# Altium PCB PDB_PCB.PcbDoc (part 3 of 3) (continued)
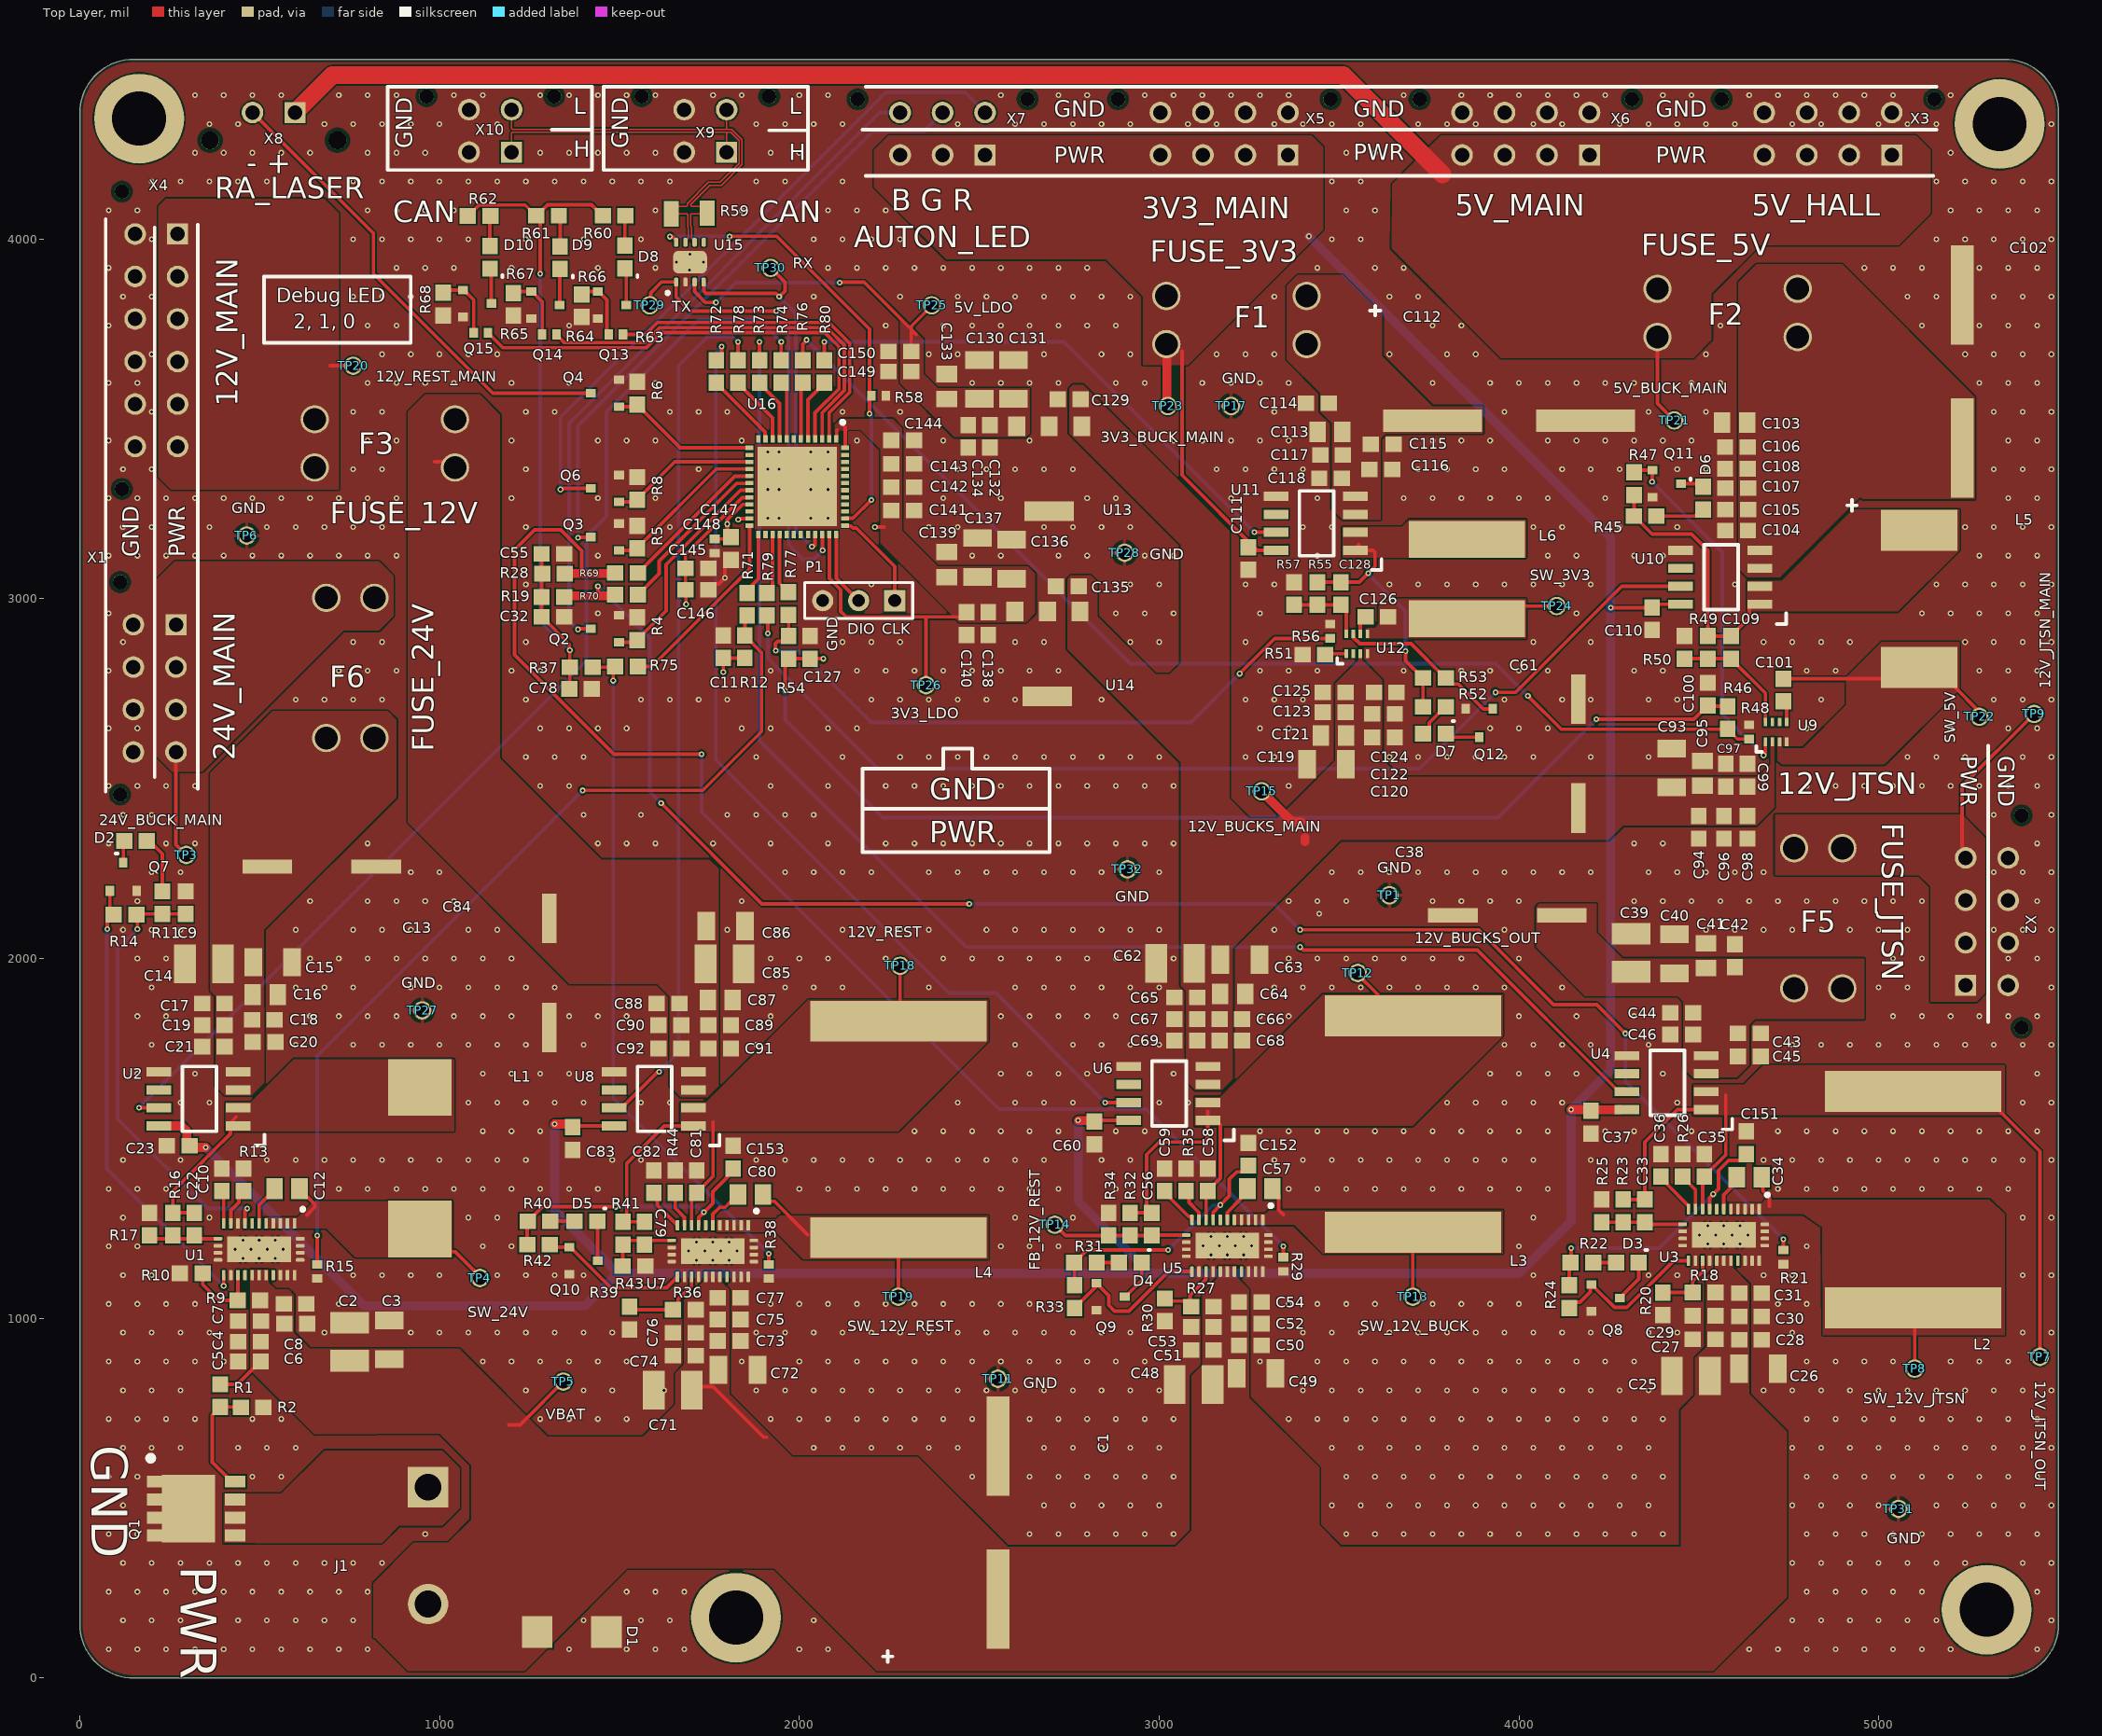
[diagram p0: Top Layer view]
## Nets (pads, with @x,y where several pads share a name; then routed paths per layer and width w, separated by ;. In a path a pad name is that pad's centre, name@x,y a point inside that pad or via, vN(x,y) a via of type N, cw(c..) or ccw(c..) an arc to the next point about the centre after c; other vN are vias at no path point) (continued)
GREEN_LED_GND: Q3.3 X7.P$5 | length 1720.5
  Top Layer w10: v1(1385.08,3170.08) 1385.95,3170.95 1419.24,3170.95 Q3.3@1420.1,3171.81
  Bottom Layer w10: v1(1385.08,3170.08) 1385.08,3481.08 2203.55,4299.55 2345.66,4299.55 X7.P$5@2398.11,4352
NetC10_1: C10.1 U1.11 | length 99
  Top Layer w10: C10.1@390,1358.5 400.05,1348.46 U1.11@400.05,1263.66
NetC34_2: C34.2 U3.6 | length 89.1
  Top Layer w10: U3.6@4569.47,1303.66 4569.47,1343.02 4600.35,1373.9 C34.2@4600.35,1380
NetC36_1: C36.1 U3.11 | length 121.3
  Top Layer w10: C36.1@4395,1393.5 4411.65,1376.85 4411.65,1372.74 4471.05,1313.35 U3.11@4471.05,1303.66
NetC57_2: C57.2 U5.6 | length 101.8
  Top Layer w10: U5.6@3189.47,1273.66 3189.47,1294.12 3227.52,1332.17 3227.52,1336.06 3241.46,1350 C57.2@3245.35,1350
NetC59_1: C59.1 U5.11 | length 115.3
  Top Layer w10: C59.1@3014.71,1350 3017.52,1350 3031.65,1335.87 3031.65,1333.05 3081.28,1283.42 3090.97,1283.42 3091.05,1283.35 U5.11@3091.05,1273.66
NetC80_2: C80.2 U7.6 | length 96.4
  Top Layer w10: U7.6@1759.47,1258.66 1759.47,1289.47 1778.38,1308.38 1793.73,1308.38 C80.2@1810.35,1325
NetC82_1: C82.1 U7.11 | length 127.1
  Top Layer w10: C82.1@1605,1362.56 1605,1314.71 U7.11@1661.05,1258.66
NetD2_1: D2.1 R11.2 | length 169
  Top Layer w10: D2.1@183.48,2337 229.19,2291.29 R11.2@229.19,2186.97
NetD2_2: D2.2 Q7.3 | length 68.5
  Top Layer w10: Q7.3@121,2267 D2.2@121,2335.5
NetD3_1: D3.1 R22.2 | length 63.5
  Top Layer w10: R22.2@4206.5,1155 D3.1@4270,1155
NetD3_2: D3.2 Q8.3 | length 121.2
  Top Layer w10: Q8.3@4280.34,1056.81 4282.31,1056.81 4289.12,1063.62 4289.12,1065.59 4332.99,1109.46 D3.2@4332.99,1155
NetD4_1: D4.1 R31.2 | length 62
  Top Layer w10: R31.2@2826.5,1155 D4.1@2888.5,1155
NetD4_2: D4.2 Q9.3 | length 115.7
  Top Layer w10: Q9.3@2904.37,1060 2906.34,1060 2951.5,1105.16 D4.2@2951.5,1155
NetD5_1: D5.1 R40.2 | length 67
  Top Layer w10: R40.2@1307.99,1270 D5.1@1375,1270
NetD5_2: D5.2 Q10.3 | length 110.6
  Top Layer w10: D5.2@1437.99,1270 1439.37,1268.62 Q10.3@1439.37,1160
NetD6_1: D6.1 R45.2 | length 131.7
  Top Layer w10: R45.2@4382.13,3230 4488.11,3230 4505.63,3247.52 D6.1@4505.63,3248.5
NetD6_2: D6.2 Q11.3 | length 59.2
  Top Layer w10: Q11.3@4450,3320 4497.13,3320 D6.2@4505.63,3311.5
NetD7_1: D7.1 R52.2 | length 102.2
  Top Layer w10: D7.1@3733.5,2625 3734.49,2625 3751.14,2641.65 3751.14,2655.63 3795.51,2700 R52.2@3796.5,2700
NetD7_2: D7.2 Q12.3 | length 97.4
  Top Layer w10: D7.2@3796.5,2625 3805.87,2615.63 Q12.3@3890,2615.63
NetD8_1: D8.1 R60.2 | length 74.1
  Top Layer w10: D8.1@1515,3991.5 1515,4063.5 R60.2@1516.5,4065
NetD8_2: D8.2 Q13.3 | length 113.3
  Top Layer w10: D8.2@1515,3928.5 1518.84,3924.66 Q13.3@1518.84,3816.81
NetD9_1: D9.1 R61.2 | length 70
  Top Layer w10: R61.2@1331.5,4065 1335,4061.5 D9.1@1335,3996.5
NetD9_2: D9.2 Q14.3 | length 118.2
  Top Layer w10: Q14.3@1333.84,3816.81 1333.84,3932.35 D9.2@1335,3933.5 ; D9.2@1335,3917.01 D9.2@1335,3917.99
NetD10_1: D10.1 R62.2 | length 69.1
  Top Layer w10: D10.1@1140,3995.85 1140,4062.86 R62.2@1141.5,4064.36
NetD10_2: D10.2 Q15.3 | length 113.3
  Top Layer w10: D10.2@1140,3932.86 1143.84,3929.02 Q15.3@1143.84,3821.17
NetJ1_1: J1.1 Q1.2
NetQ1_1: Q1.1 R1.2 R2.2 | length 308
  Top Layer w10: Q1.1@432,546 420.19,546 408.46,557.73 408.46,559.54 368,600 368,730.52 390,752.52 R1.2@390,753.5 446.5,753.5 R2.2@447.52,752.48
NetQ2_1: Q2.1 R4.2 U16.19 | length 613.6
  Top Layer w10: Q2.1@1498.84,2879.41 1543.57,2879.41 R4.2@1549.47,2885.31 1549.47,2886.3 1630,2966.83 1630,3095.34 1836.63,3301.97 U16.19@1861.6,3301.97
NetQ3_1: Q3.1 R5.2 U16.16 | length 457.2
  Top Layer w10: Q3.1@1498.84,3134.41 1543.57,3134.41 R5.2@1549.47,3140.31 1549.47,3141.3 1769.2,3361.02 U16.16@1861.6,3361.02
NetQ4_1: Q4.1 R6.2 U16.13 | length 415.6
  Top Layer w10: Q4.1@1498.84,3534.41 1543.57,3534.41 R6.2@1549.47,3540.31 1549.47,3539.33 1668.72,3420.08 U16.13@1861.6,3420.08
NetQ6_1: Q6.1 R8.2 U16.15 | length 409.4
  Top Layer w10: Q6.1@1498.84,3269.41 1543.57,3269.41 R8.2@1549.47,3275.31 1549.47,3276.3 1653.88,3380.71 U16.15@1861.6,3380.71
NetQ13_1: Q13.1 R63.2 R66.1 | length 174.1
  Top Layer w10: R66.1@1395,3846.5 1402.72,3854.21 Q13.1@1440.1,3854.21 1442.07,3854.21 1465.32,3830.97 R63.2@1465.32,3740
NetQ14_1: Q14.1 R64.2 R67.1 | length 184.7
  Top Layer w10: R67.1@1205,3850 1209.21,3854.21 Q14.1@1255.1,3854.21 1257.07,3854.21 1285.32,3825.97 R64.2@1285.32,3735
NetQ15_1: Q15.1 R65.2 R68.1 | length 180.1
  Top Layer w10: R68.1@1017.72,3858.57 Q15.1@1065.1,3858.57 1067.07,3858.57 1095,3830.64 R65.2@1095,3739.36
NetR12_2: R12.2 R15.2 R71.2 | length 2532.2
  Top Layer w10: R15.2@660,1150 v1(660,1230) ; v1(1397.5,2467.5) 1731.5,2467.5 1895,2631 1895,2850.79 1848.47,2897.32 R12.2@1848.47,2898.31 1848.47,2954.31 R71.2@1849.47,2955.31
  Bottom Layer w10: v1(660,1230) 660,1730 v1(1397.5,2467.5)
NetR13_1: R13.1 U1.10 | length 104.5
  Top Layer w10: U1.10@419.73,1263.66 419.73,1299.73 441.72,1321.72 441.72,1340.23 R13.1@455,1353.5
NetR19_2: R19.2 R21.2 R70.2 | length 4576
  Top Layer w10: 1440,3008.41 v1(1440,3035) ; v1(1616,2432) 1896,2152 v1(2472,2152) ; v1(3392,2080) 3888,2080 4096,1872 4216,1872 v1(4296,1792) ; R21.2@4735,1189.68 v1(4735,1220)
  Top Layer w25: R19.2@1346.5,3005 1349.9,3008.41 1440,3008.41 1484.57,3008.41 R70.2@1487.98,3011.81
  Bottom Layer w10: v1(1440,3035) 1584,2891 1584,2464 v1(1616,2432) ; v1(2472,2152) 3320,2152 v1(3392,2080) ; v1(4296,1792) 4296,1659 v1(4735,1220)
NetR26_1: R26.1 U3.10 | length 104.6
  Top Layer w10: R26.1@4455,1393.5 4455,1392.52 4490.73,1356.79 U3.10@4490.73,1303.66
NetR28_2: R28.2 R29.2 R69.2 | length 3671.4
  Top Layer w10: 1395,3070.91 1395,3133.52 1336.52,3192 1264,3192 1208,3136 1208,2844.65 1484.65,2568 v1(1728,2568) ; R29.2@3345,1169.68 v1(3345,1200)
  Top Layer w25: R28.2@1347.99,3070 1348.9,3070.91 1395,3070.91 1487.07,3070.91 R69.2@1487.98,3071.81
  Bottom Layer w10: v1(1728,2568) 1728,2408 2554.84,1581.16 2963.84,1581.16 v1(3345,1200)
NetR35_1: R35.1 U5.10 | length 94.6
  Top Layer w10: R35.1@3075,1353.5 3083.28,1345.23 3083.28,1321.72 3110.73,1294.27 U5.10@3110.73,1273.66
NetR37_2: R37.2 R38.2 R75.2 | length 1907.1
  Top Layer w10: R37.2@1425,2810 R75.2@1486.17,2810 ; v1(1482.5,2772.5) 1482.5,2806.33 R75.2@1486.17,2810 ; R75.2@1487.98,2811.81 R75.2@1486.17,2810 ; v1@1915,1180 R38.2@1915,1149.68 R38.2@1916.97,1149.68
  Bottom Layer w10: v1(1482.5,2772.5) 1482.5,1611.98 v1(1914.93,1179.55)
NetR44_1: R44.1 U7.10 | length 100.5
  Top Layer w10: R44.1@1655,1348.5 1655,1306.78 1680.73,1281.05 U7.10@1680.73,1258.66
NetR46_2: R46.2 R48.2 R76.2 | length 3140.7
  Top Layer w10: R76.2@2009.47,3663.31 2009.47,3707.85 2020,3718.38 v1(2020,3720) ; v1(4025,2730) 4117.48,2637.52 4580,2637.52 4607.2,2610.32 R48.2@4640,2610.32
  Bottom Layer w10: v1(2020,3720) 2920,2820 3935,2820 v1(4025,2730)
NetR51_1: R51.1 U12.1 | length 49.5
  Top Layer w10: R51.1@3471.5,2845 3473.94,2847.44 U12.1@3520,2847.44
NetR54_2: R54.2 R56.2 R77.2 | length 1846.5
  Top Layer w10: v1(1934.5,2856) 1933.36,2857.15 1933.36,2875.92 1939.21,2881.78 1955.28,2881.78 R54.2@1970,2896.5 ; R77.2@1969.47,2955.31 1970,2954.79 R54.2@1970,2895.51 ; v1(3224,2792) 3224,2792.93 3321.23,2890.16 3474.84,2890.16 R56.2@3475,2890.32
  Bottom Layer w10: v1(1934.5,2856) 2000,2856 2200,2656 3088,2656 v1(3224,2792)
NetR72_1: R72.1 U6.7 | length 2740.9
  Top Layer w10: R72.1@1769.47,3663.31 1783.62,3677.46 v1(1783.62,3701.38) ; v1(2850,1600) U6.7@2914.76,1600
  Bottom Layer w10: v1(1783.62,3701.38) 1768,3685.75 1768,2552 2416,1904 2546,1904 v1(2850,1600)
NetR73_1: R73.1 U4.7 | length 3975.2
  Top Layer w10: R73.1@1889.47,3663.31 v1(1889.47,3714.47) v1@1890,3715 ; v1(3392,2032) 3392.86,2032 3400.86,2024 3884.11,2024 4270.31,1637.8 4291.97,1637.8 U4.7@4299.76,1630
  Bottom Layer w10: v1(1889.47,3714.47) 1889.47,2605.53 2463,2032 v1(3392,2032)
NetR74_1: R74.1 U2.7 | length 3195.9
  Top Layer w10: v1(165,1585) U2.7@219.76,1585 ; R74.1@1949.47,3663.31 v1(1949.47,3714.47) v1@1950,3715
  Bottom Layer w10: v1(165,1585) 1408,2828 1408,3173.2 1464,3229.2 1464,3520 1719,3775 1888.94,3775 v1(1949.47,3714.47)
NetR78_2: R78.2 U8.7 | length 2408.2
  Top Layer w10: U8.7@1484.76,1585 1506.42,1585 1605.27,1683.85 1608.85,1683.85 v1(1610,1685) ; R78.2@1829.47,3663.31 v1(1829.47,3714.47) v1@1830,3715
  Bottom Layer w10: v1(1610,1685) 1664,1739 1664,3648 1744,3728 1815.94,3728 v1(1829.47,3714.47)
NetR79_2: R79.2 U10.7 | length 2994.2
  Top Layer w10: R79.2@1910,2953.5 1912,2951.5 v1(1912,2904) ; v1(3935,2740) 3990.85,2740 4285.85,3035 U10.7@4449.53,3035
  Bottom Layer w10: v1(1912,2904) 1912,2834.65 2218.65,2528 3723,2528 v1(3935,2740)
NetR80_2: R80.2 U11.7 | length 1526.5
  Top Layer w10: R80.2@2069.47,3663.31 v1(2069.47,3714.47) v1@2070,3715 ; v1(3265,3185) U11.7@3324.76,3185
  Bottom Layer w10: v1(2069.47,3714.47) 2735.53,3714.47 v1(3265,3185)
PG/SS_5V_BUCK: Q11.1 R47.1 U9.1 | length 1014.5
  Top Layer w10: R47.1@4320,3351.5 4325.91,3357.4 Q11.1@4371.26,3357.4 4370.63,3356.77 4370.63,3325.63 v1(4370,3325) ; v1(4680,2565) 4685,2570 U9.1@4685,2602.44
  Bottom Layer w10: v1(4370,3325) 4565,3130 4565,2680 v1(4680,2565)
PG_3V3_BUCK: Q12.1 R53.2 U12.7 | length 479.7
  Top Layer w10: U12.7@3539.68,2902.56 3539.76,2902.48 3539.76,2892.71 3557.47,2875 3700.51,2875 3795.51,2780 R53.2@3796.5,2780 3813.15,2763.35 3831.61,2763.35 3900.59,2694.37 Q12.1@3927.4,2694.37
RA_LASER_GND: Q4.3 X8.P$2 | length 1328.9
  Top Layer w10: X8.P$2@480,4352 816,4016 816,3904 1148.19,3571.81 Q4.3@1420.1,3571.81
RED_LED_GND: Q6.3 X7.P$4 | length 1863.1
  Top Layer w10: v1(1336,3304) 1337.62,3304 1340.43,3306.81 Q6.3@1420.1,3306.81
  Bottom Layer w10: v1(1336,3304) 1336,3504 2240,4408 2460.22,4408 X7.P$4@2516.22,4352
SW_3V3_BUCK: C126.2 L6.1 TP24.1 U12.5 | length 264.6
  Top Layer w10: L6.1@3855,2944.76 3890.24,2980 TP24.1@4105,2980
SW_5V_BUCK: C101.2 L5.1 TP22.1 U9.3 | length 648.8
  Top Layer w10: C101.2@4735,2777.99 5192.28,2777.99 5213.3,2756.97 5213.3,2752.84 5272.12,2694.02 5272.12,2679.88 TP22.1@5280,2672 ; L5.1@5062.79,2809.06 L5.1@5112,2809.06
SW_12V_BUCK: C57.1 L3.1 TP13.1 U5.1 U5.2 U5.3 U5.4 U5.5 | length 258.7
  Top Layer w10: C57.1@3314.65,1360 3332.48,1342.17 3332.48,1301.24 3345.53,1288.19 ; TP13.1@3705,1065 L3.1@3705,1239.11
SW_12V_JETSON: C34.1 L2.1 TP8.1 U3.1 U3.2 U3.3 U3.4 U3.5 | length 258
  Top Layer w10: C34.1@4674.65,1392 4678.08,1388.57 4678.08,1353.92 4696,1336 4696,1312 ; TP8.1@5100,860 L2.1@5100,1029.11
SW_12V_REST: C80.1 L4.1 TP19.1 U7.1 U7.2 U7.3 U7.4 U7.5 | length 379.7
  Top Layer w10: C80.1@1883.65,1344 1883.65,1341.83 C80.1@1901.48,1324 ; C80.1@1886.48,1354 C80.1@1909,1354 ; C80.1@1898.65,1344 1898.65,1343.21 1916.48,1325.38 1930.62,1325.38 2022.95,1233.05 ; TP19.1@2275,1065 L4.1@2275,1224.11
SW_24V_BUCK: C12.1 L1.1 TP4.1 U1.1 U1.2 U1.3 U1.4 U1.5 | length 318.1
  Top Layer w10: C12.1@614.47,1355.39 614.47,1350.07 628.48,1336.06 633.79,1336.06 652.79,1317.07 652.79,1308.79 630.99,1286.99 ; L1.1@945,1248.15 1007.64,1185.51 1042.72,1185.51 TP4.1@1112,1116.23
SWCLK: P1.1 U16.37 | length 279.7
  Top Layer w10: U16.37@2127.35,3203.54 2128.25,3202.64 2143.46,3202.64 2149.27,3196.83 2158.17,3196.83 2265,3090 P1.1@2265,2995
SWDIO: P1.2 U16.36 | length 209.7
  Top Layer w10: U16.36@2102.74,3178.94 2102.74,3057.26 P1.2@2165,2995
TEMP_3V3: R77.1 U16.28 | length 170.7
  Top Layer w10: U16.28@1945.26,3178.94 1945.26,3043.5 1969.47,3019.29 R77.1@1969.47,3018.31
TEMP_5V: R76.1 U16.6 | length 157.8
  Top Layer w10: U16.6@2004.31,3444.68 2004.31,3595.16 R76.1@2009.47,3600.31
TEMP_12V_BUCK: R69.1 U16.17 | length 422.8
  Top Layer w10: R69.1@1550.97,3071.81 1551.95,3071.81 1568.61,3088.46 1568.61,3089.45 1820.5,3341.34 U16.17@1861.6,3341.34
TEMP_12V_JETSON: R70.1 U16.18 | length 458.6
  Top Layer w10: R70.1@1551.95,3011.81 1610,3069.86 1610,3105 1825.75,3320.75 1860.69,3320.75 U16.18@1861.6,3321.65
TEMP_12V_REST: R75.1 U16.24 | length 543.5
  Top Layer w10: R75.1@1550.97,2811.81 1590.33,2811.81 1778.13,2999.62 1861.6,3083.08 U16.24@1861.6,3203.54
TEMP_24V: R71.1 U16.25 | length 175.8
  Top Layer w10: R71.1@1849.47,3018.31 1849.47,3019.29 1886.2,3056.02 U16.25@1886.2,3178.94
VBAT: C1.1 C2.1 C3.1 C4.1 C5.1 C6.1 C7.1 C8.1 C25.1 C26.1 C27.1 C28.1 C29.1 C30.1 C31.1 C48.1 C49.1 C50.1 C51.1 C52.1 C53.1 C54.1 C71.1 C72.1 C73.1 C74.1 C75.1 C76.1 C77.1 D1.1 J1.2 R1.1 R9.2 R18.2 R27.2 R36.2 TP5.1 U1.20 U1.21 U1.22 U3.20 U3.21 U3.22 U5.20 U5.21 U5.22 U7.20 U7.21 U7.22 | length 624.8
  Top Layer w10: R1.1@390,816.5 438.5,816.5 502.01,880 C5.1@502.99,880 ; 1192.5,704 1224,704 TP5.1@1357.84,837.84 ; C71.1@1702.8,810 1760,810 1900.86,669.14 1909.14,669.14
VBAT_MCU: C11.1 C32.1 C55.1 C78.1 C100.1 C127.1 C136.1 C137.1 C138.1 C139.2 C140.1 C141.1 C142.1 C143.1 C144.1 C145.1 C146.1 C147.1 C148.1 R12.1 R19.1 R28.1 R37.1 R46.1 R54.1 R60.1 R61.1 R62.1 TP26.1 U14.3 U16.1 U16.20 U16.21 U16.23 U16.35 U16.48 | length 8642.3
  Top Layer w10: R62.1@1078.5,4064.36 1079.49,4064.36 1110.14,4095.01 1237.51,4095.01 1267.52,4065 R61.1@1268.5,4065 1280,4053.5 v1@1280,3904.86 ; R61.1@1269.49,4065 1300.14,4095.65 1421.87,4095.65 1452.52,4065 R60.1@1453.5,4065 ; C55.1@1283.5,3125 R19.1@1283.5,3005 C32.1@1283.5,2950 1284.49,2950 1360.86,2873.63 1360.86,2858.16 v1(1362.01,2857.01) R37.1@1362.01,2810 1362.01,2751.28 C78.1@1360.2,2749.47 ; v1(1685,2985) 1685,3023.5 C146.1@1683.5,3025 C145.1@1683.5,3085 1683.5,3123.5 1841.38,3281.38 1860.69,3281.38 U16.20@1861.6,3282.28 ; C148.1@1764.47,3166.49 1800,3166.49 C147.1@1810,3156.5 ; v1@1790,2795 v1(1788.47,2796.53) C11.1@1788.47,2835.31 R12.1@1848.47,2835.31 ; C147.1@1800,3171.5 v1(1800,3208) 1800,3220.2 1842.4,3262.6 U16.21@1861.6,3262.6 ; v1(1830,3220) 1833.23,3223.23 U16.23@1861.6,3223.23 ; v1(1960,2744) 1960,2823.5 R54.1@1970,2833.5 C127.1@2030,2833.5 v1(2066.5,2833.5) ; U16.35@2083.06,3178.94 2083.53,3178.46 2083.53,3056.67 2115,3025.2 2115,2965 2130,2950 2352,2950 ; U16.1@2102.74,3444.68 2103.65,3445.59 2103.65,3468.65 2105,3470 ; 2125,3480 2127.35,3477.65 U16.48@2127.35,3420.08 ; v1(2210,3200) 2235,3200 ; TP26.1@2352,2758.66 2352,2950 ; C140.1@2455.91,2950 2352,2950 ; v1(4215,2665) 4486.5,2665 4507.36,2685.87 4508.35,2685.87 4525,2702.52 C100.1@4525,2703.5 4527.01,2701.5 R46.1@4580,2701.5
  Mid Layer 1 w25: v1(1362.01,2857.01) 1452.01,2857.01 1580,2985 v1(1685,2985) ; v1(1788.47,2796.53) 1685,2900 v1(1685,2985) ; v1(1800,3208) 1809,3199 ; v1(2066.5,2833.5) 2015,2885 2015,3036.56 2053.44,3075 2135,3075 2210,3150 v1(2210,3200) 2145,3265 1875,3265 v1(1830,3220) 1809,3199 ; v1(1685,2985) 1685,3075 1809,3199
  Bottom Layer w10: v1(1280,3904) 1280,2939.02 v1(1362.01,2857.01) ; v1(1960,2744) 1960,2664 2232,2392 3942,2392 v1(4215,2665)
VCC_24V_BUCK: C9.1 R11.1 R14.2 U1.8 | length 1235.4
  Top Layer w10: v1(160,2082) 160,2122.46 158.48,2123.98 R11.1@229.19,2123.98 C9.1@294.19,2123.98 ; U1.8@459.1,1263.66 459.1,1297.48 465,1303.38 v1(465,1305)
  Bottom Layer w10: v1(160,2082) 105,2027 105,1555 354.97,1305.03 434.97,1305.03 ; 435,1305 v1(465,1305)
pads on no net: U1.7 U1.19 U1.23 U2.6 U3.7 U3.23 U4.6 U5.7 U5.23 U6.6 U7.7 U7.23 U8.6 U9.6 U9.7 U10.6 U11.6 U12.2 U15.5 U16.7 U16.12 U16.14 U16.22 U16.26 U16.29 U16.30 U16.31 U16.32 U16.39 U16.40 U16.41 U16.42 U16.43 U16.44 U16.45 U16.46 U16.47 X1.1 X2.1 X3.1 X4.1 X5.1 X6.1 X7.1 X8.1 X9.1 X10.1

## Polygon pours and split planes (outlines as drawn)
GND on Top Layer "GND_L01_P086" (solid, pour order 86): 0,0 5505,0 5505,4510 5500,4505 0,4505
VBAT on Top Layer "VBAT_L01_P069" (solid, pour order 69): 4450,620 4450,745 4490,785 4490,890 4495,895 4520,920 4520,1115 4545,1140 4545,1175 4545.08,1174.92 4594.07,1174.92 4594.07,1140.93 4640,1095 4640,789.26 4745,684.26 4745,625
VBAT on Top Layer "VBAT_L01_P066" (solid, pour order 66): 816,264 928,376 1024,376 1088,440 1088,592 1000,680 653,677 474.32,855.68 474.32,1135 525,1135 525,1100 545,1080 580,1080 595,1065 595,960 640,915 1055,915 1125,845 1300,670 1565,670 1620,725 1665,725 1775,615 2329,615 2579,365 3045,365 3090,410 3090,570 3160,640 3390,640 3445,585 3445,425 3505,365 4450,365 4450,620 4510,680 4690,680 4745,625 4745,225 4540,20 2215,20 1930,305 1521,305 1236,20 912,20 820,112 816,112
VBAT on Top Layer "VBAT_L01_P068" (solid, pour order 68): 3090,570 3090,840 3120,870 3120,1070 3165,1115 3165,1145 3215,1145 3215,1115 3250,1080 3250,780 3445,585
3V3_BUCK_MAIN on Top Layer "3V3_BUCK_MAIN_L01_P063" (solid, pour order 63): 3456,4026 3456,4256 3424,4288 2248,4288 2208,4248 2208,4144 2408,3944 2852,3944 2952,3844 2955,3840 2955,3650 3080,3650
12V_BUCK_MAIN on Top Layer "12V_BUCK_MAIN_L01_P062" (solid, pour order 62): 2760,3595 2750,3585 2750,3460 3060,3150 3060,2820 3030,2790 2990,2790 2828.15,2951.85 2828.15,3046.85 2810,3065 2755,3065 2745,3055 2745,2860 3060,2545 3060,2020 3195,2020 3505,2330 4250,2330 4290,2370 4660,2370 4710,2420 4710,2615 4700,2615 4700,2540 4665,2505 3670,2505 3620,2555 3620,2775 3564.04,2830.96 3564.04,2859.11 3554.51,2859.11 3554.51,2829.51 3490,2765 3490,2550 3330,2390 3250,2390 3195,2445 3195,3189.03 2789.03,3595
3V3_BUCK_MAIN_FUSE on Top Layer "3V3_BUCK_MAIN_FUSE_L01_P064" (solid, pour order 64): 3448,3572 3448,3520 3480,3488 3480,3250 3510,3220 3615,3220 3615,3445 3630,3460 3900,3460 3900,3535 3760,3535 3620,3675 3620,3790 3510,3900 3385,3900 3355,3870 3355,3665
5V_BUCK_MAIN_FUSE on Top Layer "5V_BUCK_MAIN_FUSE_L01_P084" (solid, pour order 84): 4948.5,3283.5 4954.39,3277.61 5267.5,3277.61 5267.5,3561.2 4898.69,3930 4832,3930 4660,3930 4610,3880 4610,3085 4635,3060 4725,3060
5V_BUCK_MAIN on Top Layer "5V_BUCK_MAIN_L01_P080" (solid, pour order 80): 4535,3848 4671,3984 5056,3984 5144,4072 5144,4248 5104,4288 3783,4288 3648,4153 3646,3974 3950,3670 4485,3670 4535,3720
SW_12V_JETSON on Top Layer "SW_12V_JETSON_L01_P052" (solid, pour order 52): 4585,1290 4790,1290 4842.86,1253.12 4845.21,953.22 5350,953.22 5350,1290 5308.12,1329.68 4685,1330 4675,1320 4585,1320
12V_JETSON_MAIN on Top Layer "12V_JETSON_MAIN_L01_P085" (solid, pour order 85): 4712,2232 5112,2232 5144,2200 5144,1880 5272,1880 5296,1904 5296,2336 5232,2400 4712,2400
12V_BUCK_OUT on Top Layer "12V_BUCK_OUT_L01_P051" (solid, pour order 51): 3100,1615 3170,1615 3455,1900 3955,1900 3955,1785 3705,1535 3100,1535
24V_BUCK_MAIN on Top Layer "24V_BUCK_MAIN_L01_P058" (solid, pour order 58): 578.34,2757.66 732.68,2912 832,2912 872,2952 872,3064 832,3104 264,3104 208,3048 208,2568 256,2520 340.68,2520
12V_REST_MAIN on Top Layer "12V_REST_MAIN_L01_P082" (solid, pour order 82): 680,4112 720,4072 720,3304 253.8,3304 218.9,3338.9 218.9,4091.31 239.59,4112 440,4112
12V_REST_MAIN_FUSE on Top Layer "12V_REST_MAIN_FUSE_L01_P083" (solid, pour order 83): 912,3520 960,3568 1112,3568 1168,3512 1168,2557 1450,2275 1750,2275 1775,2250 1775,1645.83 1744.17,1615 1670,1615 1640,1645 1640,1895 1605,1930 1360,1930 1355.14,1935 912,2378.14
12V_BUCK_MAIN on Top Layer "12V_BUCK_MAIN_L01_P049" (solid, pour order 49): 3175,1635 3205,1665 3205,2045 3060,2045 3060,1925 3075,1910 3075,1660 3100,1635
SW_12V_BUCK on Top Layer "SW_12V_BUCK_L01_P050" (solid, pour order 50): 3205,1260 3375,1260 3455,1180 3955,1180 3955,1300 3305,1300 3295,1290 3205,1290
12V_JETSON_OUT on Top Layer "12V_JETSON_OUT_L01_P053" (solid, pour order 53): 4485,1648.89 4624.89,1648.89 4680,1704 5350,1704 5350,1565 4485,1565
12V_JETSON_MAIN_FUSE on Top Layer "12V_JETSON_MAIN_FUSE_L01_P054" (solid, pour order 54): 4288,2000 4216,2072 4216,2152 4056,2152 4048,2144 4048,2032 4184,1896 4441.5,1896 4457.5,1880 4457.5,1695 4482.5,1670 4606,1670 4640,1704 4640,1816 4656,1832 4960,1832 4960,2000 4544,2000
12V_REST_OUT on Top Layer "12V_REST_OUT_L01_P055" (solid, pour order 55): 1670,1600 1740,1600 2025,1885 2525,1885 2525,1770 2275,1520 1670,1520
SW_24V_BUCK on Top Layer "SW_24V_BUCK_L01_P056" (solid, pour order 56): 515,1250 685,1250 765,1170 1035,1170 1035,1325 650,1325 605,1280 515,1280
24V_BUCK_OUT on Top Layer "24V_BUCK_OUT_L01_P057" (solid, pour order 57): 405,1600 475,1600 595,1720 1040,1720 1040,1520 405,1520
24V_BUCK_MAIN_FUSE on Top Layer "24V_BUCK_MAIN_FUSE_L01_P059" (solid, pour order 59): 512.07,2080.07 880,2448 880,2664 856,2688 535.5,2688 362.5,2515 362.5,1910 377.5,1895 377.5,1645 402.5,1620 477.5,1620 512.19,1654.69
SW_12V_REST on Top Layer "SW_12V_REST_L01_P065" (solid, pour order 65): 1770,1240 1935,1240 2010,1165 2525,1165 2525,1285 1945,1285 1935,1275 1770,1275
VBAT on Top Layer "VBAT_L01_P067" (solid, pour order 67): 1655,760 1620,725 1620,689.7 1692.5,687.5 1765,615 1980,615 1805,790 1805,1080 1783.84,1101.16 1783.84,1129.54 1783.38,1130 1735,1130 1735,1105 1680,1050 1680,872 1655,847
NetJ1_1 on Top Layer "NETJ1_1_L01_P070" (solid, pour order 70): 680,632 560,512 400,512 400,376 488,375 560,375 560.5,375.5 839.5,375.5 888,424 1008,424 1056,472 1056,584 1008,632
SW_3V3_BUCK on Top Layer "SW_3V3_BUCK_L01_P071" (solid, pour order 71): 3610,2930 3610,2980 3630,3000 4020,3000 4020,2890 3574.22,2890 3574.22,2903.17 3574.13,2915.76 3577.66,2919.29 3577.66,2919.31 3599.31,2919.31
3V3_BUCK_OUT on Top Layer "3V3_BUCK_OUT_L01_P072" (solid, pour order 72): 4020,3115 3510,3115 3510,3200 3675,3200 3695,3220 4020,3220
SW_5V_BUCK on Top Layer "SW_5V_BUCK_L01_P073" (solid, pour order 73): 5016,2540 5224,2748 5224,2880 5008,2880 4910,2782 4910,2705 4790,2585 4734.92,2585 4729.15,2590.78 4729.15,2614.1 4719.45,2614.2 4719.45,2550.55 4730,2540
5V_BUCK_OUT on Top Layer "5V_BUCK_OUT_L01_P074" (solid, pour order 74): 5053,2965 5224,3136 5224,3248 4928,3248 4730,3050 4635,3050 4635,2970 4640,2965
VBAT_MCU on Top Layer "VBAT_MCU_L01_P075" (solid, pour order 75): 2132.03,3465 2137.03,3470 2170,3470 2175,3465 2225,3415 2225,3155 2445,2935 2630,2935 2655,2960 2655,3070 2635,3090 2385,3090 2285,3190 2285,3475 2260,3500 2115,3500 2098.78,3483.78 2098.78,3465 2108.45,3465 2111.54,3468.09 2119.49,3468.09 2122.58,3465
5V on Top Layer "5V_L01_P076" (solid, pour order 76): 2630,3450 2430,3450 2280,3600 2280,3786.08 2345,3721.07 2345,3625 2385,3585 2640,3585 2640,3460
GND on Mid Layer 2 "GND_L03_P079" (solid, pour order 79): 0,4500 0,0 5500,0 5500,4495
GND on Mid Layer 1 "GND_L02_P077" (solid, pour order 77): 0,4500 0,0 5500,0 5500,4495
GND on Bottom Layer "GND_L04_P078" (solid, pour order 78): 0,4500.14 0,0.14 5500,0.14 5500,4495.14

## Silkscreen, mask and mechanical layers (free items; w line width, h text height)
Top Overlay:
  lines w10: 72,2464 72,4056 ; 208,2504 208,4032 ; 328,2472 328,4040 ; 1312,4304 1420,4304 ; 1915.78,4302.35 2023.78,4302.35 ; 2176,2416 2696,2416 ; 2176,4304 5160,4304 ; 2184,4176 5152,4176 ; 2184,4424 5160,4424 ; 5304,1824 5304,2592 ; 512,3712 920,3712 920,3896 512,3896 512,3712 ; 856,4192 856,4424 1400,4424 1424,4424 1424,4192 1416,4192 856,4192 ; 1456,4192 2016,4192 2024,4192 2024,4424 2000,4424 1456,4424 1456,4192 ; 2176,2296 2176,2528 2400,2528 2400,2584 2480,2584 2480,2528 2536,2528 2696,2528 2696,2296 2176,2296
  text "L" at 1372,4348 h45
  text "L" at 1972,4348 h45
  text "GND" at 2708,4340 h45
  text "GND" at 3540,4340 h45
  text "GND" at 4380,4340 h45
  text "GND" at 924,4252 h45 r90
  text "GND" at 1524,4252 h45 r90
  text "H" at 1372,4228 h45
  text "H" at 1972,4220 h45
  text "PWR" at 3540,4220 h45
  text "PWR" at 2708,4212 h45
  text "PWR" at 4380,4212 h45
  text "- +" at 463,4183 h60
  text "RA_LASER" at 375,4113 h60
  text "B G R" at 2255,4079 h60
  text "5V_MAIN" at 3823,4065 h60
  text "5V_HALL" at 4647,4065 h60
  text "3V3_MAIN" at 2951,4057 h60
  text "CAN" at 871,4047 h60
  text "CAN" at 1887,4047 h60
  text "AUTON_LED" at 2151,3977 h60
  text "FUSE_5V" at 4340.46,3954.86 h60
  text "FUSE_3V3" at 2975,3937 h60
  text "RX" at 1982,3918 h30
  text "Debug LED" at 546,3823.33 h40
  text "TX" at 1646,3798 h30
  text "5V_LDO" at 2430,3795 h30
  text "2, 1, 0" at 594,3751.33 h40
  text "12V_REST_MAIN" at 822,3603 h30
  text "GND" at 3174,3598 h30
  text "5V_BUCK_MAIN" at 4262,3571 h30
  text "12V_MAIN" at 439,3535 h60 r90
  text "3V3_BUCK_MAIN" at 2838,3435 h30
  text "GND" at 422,3238 h30
  text "FUSE_12V" at 695,3209 h60
  text "GND" at 164,3116 h45 r90
  text "PWR" at 292,3116 h45 r90
  text "GND" at 2974,3110 h30
  text "SW_3V3" at 4030,3051 h30
  text "DIO" at 2134,2902 h30
  text "CLK" at 2230,2902 h30
  text "GND" at 2106,2854 h30 r90
  text "12V_JTSN_MAIN" at 5477,2750 h30 r90
  text "3V3_LDO" at 2254,2667 h30
  text "SW_5V" at 5213,2598 h30 r90
  text "FUSE_24V" at 983,2575 h60 r90
  text "PWR" at 5228,2564 h45 r270
  text "GND" at 5332,2564 h45 r270
  text "24V_MAIN" at 431,2551 h60 r90
  text "12V_JTSN" at 4719,2457 h60
  text "GND" at 2362,2442 h60
  text "FUSE_JTSN" at 5009,2377 h60 r270
  text "24V_BUCK_MAIN" at 54,2371 h30
  text "12V_BUCKS_MAIN" at 3080,2352 h30
  text "PWR" at 2362,2322 h60
  text "GND" at 3606,2238 h30
  text "GND" at 2878,2158 h30
  text "12V_REST" at 2134,2059 h30
  text "12V_BUCKS_OUT" at 3710,2043 h30
  text "GND" at 894,1918 h30
  text "FB_12V_REST" at 2669,1134 h30 r90
  text "SW_24V" at 1078,1003 h30
  text "SW_12V_REST" at 2134,963 h30
  text "SW_12V_BUCK" at 3558,963 h30
  text "12V_JTSN_OUT" at 5435,826 h30 r270
  text "GND" at 2622,806 h30
  text "SW_12V_JTSN" at 4958,763 h30
  text "VBAT" at 1294,718 h30
  text "GND" at 33,647 h100 r270
  text "GND" at 5022,374 h30
  text "PWR" at 281,311 h100 r270
Bottom Overlay:
  drawing of 3181 lines, arcs and shapes, not listed
  text "Power  / Distribution / Board" at 3472,2392 h200
  text "JR LH AS AJ JD TW CM" at 3426,2134 h150
Outline:
  the board outline again, w10